# Altium PCB uStepper.PcbDoc (part 2 of 2)
Units mm, origin at the board's own origin, x right, y up, seen from the top; angles counter-clockwise.
Board outline 41.8 x 41.8 mm, 4 copper layers (Top Layer, GND, VCC, Bottom Layer), stack 1.6 mm thick; 108 components, 75 nets, 382 pads, 392 vias.
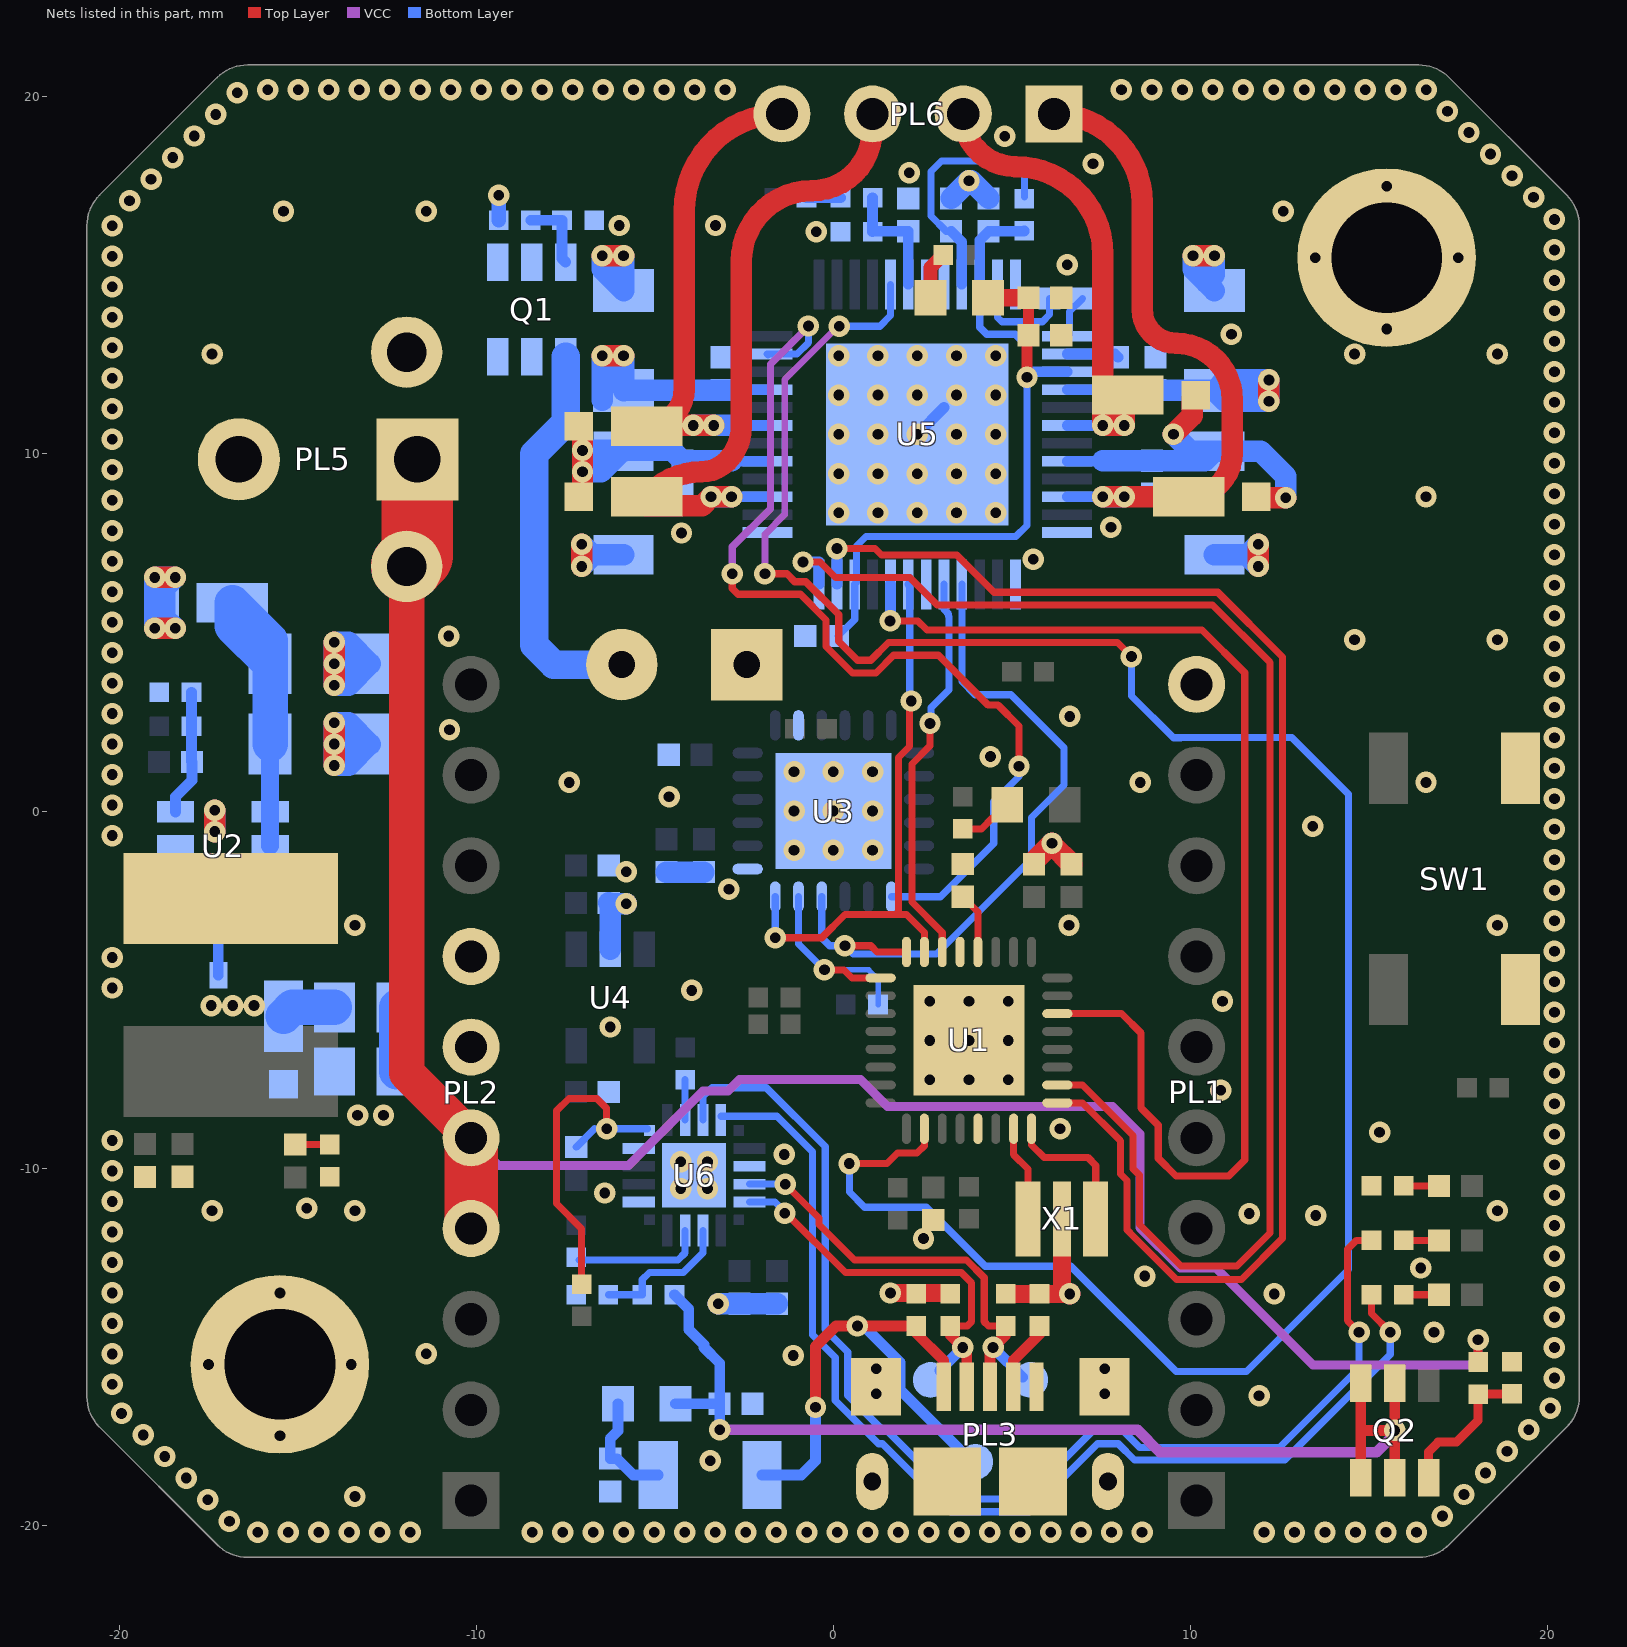
[diagram p4: the nets of this part, all layers, seen from the top]

## Via types
v1: diameter 0.6, hole 0.3, Top Layer to Bottom Layer, tented both sides, 392 vias

## Nets (pads, with @x,y where several pads share a name; then routed paths per layer and width w, separated by ;. In a path a pad name is that pad's centre, name@x,y a point inside that pad or via, vN(x,y) a via of type N, cw(c..) or ccw(c..) an arc to the next point about the centre after c; other vN are vias at no path point) (continued)
ENA: U1.2 U5.29 | length 64.8
  Top Layer w0.2: v1(-1.915,6.645) -1.301,6.645 -1.079,6.423 -0.773,6.423 0.15,5.5 0.15,4.752 0.681,4.221 1.048,4.221 1.543,4.716 7.959,4.716 v1(8.35,4.325) ; v1(0.45,-9.875) 1.502,-9.875 1.799,-9.577 2.348,-9.577 2.55,-9.375 U1.2@2.55,-8.9
  VCC w0.19: v1(-1.915,6.645) -1.915,7.749 -1.363,8.301 -1.363,12.079 0.138,13.579 v1(0.167,13.579)
  Bottom Layer w0.2: v1(0.167,13.579) 1.305,13.579 1.6,13.874 U5.29@1.6,14.75 ; v1(0.45,-9.875) 0.45,-10.675 0.875,-11.1 2.605,-11.1 4.256,-12.751 6.651,-12.751 9.602,-15.702 11.571,-15.702 14.427,-12.846 14.427,0.471 12.84,2.058 9.739,2.058 9.731,2.05 9.525,2.05 8.35,3.225 v1(8.35,4.325)
ENCN: U3.7 U5.23 | length 27.6
  Top Layer w0.2: v1(-2.83,6.645) -2.83,6.231 -2.669,6.07 -0.919,6.07 -0.202,5.354 -0.202,4.607 0.535,3.869 1.194,3.869 1.688,4.363 2.942,4.363 4.34,2.965 4.617,2.965 5.2,2.381 v1(5.2,1.25)
  VCC w0.2: v1(-2.83,6.645) -2.83,7.4 -1.763,8.467 -1.763,12.512 -0.698,13.577 v1(-0.698,13.585)
  Bottom Layer w0.2: U5.23@-1.825,12.775 U5.23@-1.85,12.8 -1.016,12.8 -0.698,13.118 v1(-0.698,13.585) ; U3.7@1.625,-2.4 3,-2.4 4.493,-0.907 4.493,0.26 5.2,0.967 v1(5.2,1.25)
GND: C1.1 C2.2 C3.1 C4.2 C5.2 C6.2 C8.1 C9.1 C10.2 C11.2 C12.2 C13.2 C15.2 C16.1 C17.2 C18.1 C19.1 C20.1 C21.1 C23.2 C25.2 C26.2 C27.2 C28.2 C29.2 C30.1 C31.1 C32.2 C33.2 C34.1 C35.1 D6.1 D12.1 D13.1 D14.1 D15.1 pad.1 pad.3 PL1.10 PL2.6 PL2.7 PL3.5 PL3.6 PL3.7 PL3.8 PL3.9 PL3.10 PL3.11 PL5.2 PL5.3 R8.1 R9.1 R12.1 R13.1 R14.1 R16.1 R20.1 R21.2 R25.1 R32.2 SW1.3 SW1.4 U1.5 U1.21 U1.33 U2.2 U3.13 U3.20 U3.25 U4.2 U5.1 U5.6 U5.13 U5.31 U5.32 U5.36 U5.48 U5.49 U6.3 U6.12 U6.15 U6.21 X1.2 | length 42.3
  Top Layer w0.2: U1.33@3.55,-6.175 v1(3.8,-6.425) U1.33@4.05,-6.675
  Top Layer w0.5: v1(1.6,-13.5) 3.25,-13.5 D13.1@3.275,-13.525 ; D12.1@4.825,-13.525 v1(6.625,-13.525) 6.4,-13.3 X1.2@6.4,-11.425
  Top Layer w0.6: v1(-17.325,-0.575) v1(-17.325,0.025) ; v1(-13.975,1.275) v1(-13.975,1.875) v1(-13.975,2.475) ; v1(-13.975,3.525) v1(-13.975,4.125) v1(-13.975,4.725) ; v1(-7.05,6.85) v1(-7.05,7.475) ; v1(-6.475,15.55) v1(-5.875,15.55) ; C4.2@5.625,-1.49 5.625,-1.4 v1(6.125,-0.9) 6.125,-0.94 C3.1@6.675,-1.49 ; v1(10.075,15.55) v1(10.675,15.55) ; v1(11.9,6.85) v1(11.9,7.475)
  Bottom Layer w0.2: v1(-1.1,1.1) U3.25@-0.975,1.225
  Bottom Layer w0.3: v1(2.35,10.55) U5.49@3.1,11.3
  Bottom Layer w0.6: v1(-17.325,-0.575) v1(-17.325,0.025) ; C10.2@-6.29,-2.575 -6.265,-2.6 v1(-5.8,-2.6) ; U4.2@-6.25,-3.875 C10.2@-6.25,-2.615 ; R14.1@-5.875,7.175 -6.725,7.175 ; C1.1@-4.675,-1.71 C23.2@-3.625,-1.71 ; v1(-3.225,-13.8) C29.2@-2.623,-13.8 C35.1@-1.573,-13.8 ; v1(1.2,-16.325) v1(1.2,-15.625) ; C34.1@3.3,17.16 3.79,17.65 v1(3.8,17.65) 3.86,17.65 C30.1@4.35,17.16 ; v1(7.6,-16.325) v1(7.6,-15.625) ; R13.1@10.675,7.175 11.575,7.175 ; C28.2@10.675,14.575 C28.2@10.45,14.8 ; v1(-13.975,1.875) C19.1@-12.975,1.875 ; v1(-13.975,1.875) v1(-13.975,2.475) -13.575,2.475 C19.1@-12.975,1.875 ; v1(-13.975,1.875) v1(-13.975,1.275) -13.575,1.275 C19.1@-12.975,1.875 ; v1(-13.975,4.125) C18.1@-12.975,4.125 ; v1(-13.975,4.125) v1(-13.975,4.725) -13.575,4.725 C18.1@-12.975,4.125 ; v1(-13.975,4.125) v1(-13.975,3.525) -13.575,3.525 C18.1@-12.975,4.125 ; -6.725,7.175 v1(-7.05,6.85) v1(-7.05,7.475) -6.75,7.175 -6.725,7.175 ; C28.2@10.45,14.8 10.675,15.025 v1(10.675,15.55) v1(10.075,15.55) 10.075,15.175 C28.2@10.45,14.8 ; 11.575,7.175 v1(11.9,6.85) v1(11.9,7.475) 11.6,7.175 11.575,7.175 ; C27.2@-6.475,15.175 v1(-6.475,15.55) v1(-5.875,15.55) C27.2@-5.875,14.575 C27.2@-6.475,15.175
  other v1: -16.118,-20.198 -15.264,-20.198 -14.41,-20.198 -13.556,-20.198 -12.702,-20.198 -11.848,-20.198 -8.432,-20.198 -7.578,-20.198 -6.724,-20.198 -5.87,-20.198 -5.016,-20.198 -4.162,-20.198 -3.308,-20.198 -2.454,-20.198 -1.6,-20.198 -0.746,-20.198 0.108,-20.198 0.962,-20.198 1.816,-20.198 2.67,-20.198 3.524,-20.198 4.378,-20.198 5.232,-20.198 6.086,-20.198 6.94,-20.198 7.794,-20.198 8.648,-20.198 12.064,-20.198 12.918,-20.198 13.772,-20.198 14.626,-20.198 15.48,-20.198 16.334,-20.198 -16.915,-19.892 17.06,-19.747 -17.519,-19.288 -13.4,-19.2 17.663,-19.143 -18.123,-18.684 18.267,-18.54 -3.45,-18.2 -18.727,-18.08 18.871,-17.936 -15.5,-17.5 -19.331,-17.476 19.475,-17.332 -19.935,-16.872 20.079,-16.728 11.925,-16.375 -20.198,-16.06 20.198,-15.882 -17.5,-15.5 -13.5,-15.5 -1.125,-15.25 -20.198,-15.206 -11.4,-15.2 20.198,-15.028 16.825,-14.6 -20.198,-14.352 20.198,-14.174 12.35,-13.525 -20.198,-13.498 -15.5,-13.5 20.198,-13.32 8.725,-13.025 16.45,-12.8 -20.198,-12.644 20.198,-12.466 2.525,-11.975 -20.198,-11.79 20.198,-11.612 13.513,-11.328 11.65,-11.275 -17.4,-11.2 -13.4,-11.2 18.6,-11.2 -14.75,-11.125 -20.198,-10.936 20.198,-10.758 -6.4,-10.7 -4.275,-10.575 -3.525,-10.575 -20.198,-10.082 20.198,-9.904 -4.275,-9.825 -3.525,-9.825 -1.375,-9.618 -20.198,-9.228 20.198,-9.05 15.3,-9 6.35,-8.9 -13.325,-8.525 -12.6,-8.525 20.198,-8.196 10.85,-7.825 2.7,-7.525 3.8,-7.525 4.9,-7.525 20.198,-7.342 20.198,-6.488 2.7,-6.425 4.9,-6.425 -6.25,-6.05 20.198,-5.634 2.7,-5.325 3.8,-5.325 4.9,-5.325 10.9,-5.325 -3.963,-5.025 -20.198,-4.958 20.198,-4.78 -20.198,-4.104 20.198,-3.926 -13.4,-3.2 6.6,-3.2 18.6,-3.2 20.198,-3.072 20.198,-2.218 -2.925,-2.194 -5.8,-1.7 20.198,-1.364 -1.1,-1.1 0,-1.1 1.1,-1.1 -20.198,-0.688 20.198,-0.51 13.425,-0.425 -1.1,0 0,0 1.1,0 -20.198,0.166 20.198,0.344 -4.6,0.4 -7.4,0.8 8.6,0.8 16.6,0.8 -20.198,1.02 0,1.1 1.1,1.1 20.198,1.198 4.4,1.525 -20.198,1.874 20.198,2.052 -10.75,2.275 6.625,2.65 -20.198,2.728 20.198,2.906 -20.198,3.582 20.198,3.76 -20.198,4.436 20.198,4.614 14.6,4.8 18.6,4.8 -10.775,4.9 -20.198,5.29 20.198,5.468 -20.198,6.144 20.198,6.322 -20.198,6.998 5.603,7.051 20.198,7.176 -4.252,7.788 -20.198,7.852 7.775,7.95 20.198,8.03 0.15,8.35 1.25,8.35 2.35,8.35 3.45,8.35 4.55,8.35 -20.198,8.706 16.6,8.8 20.198,8.884 0.15,9.45 1.25,9.45 2.35,9.45 3.45,9.45 4.55,9.45 -20.198,9.56 20.198,9.738 -20.198,10.414 0.15,10.55 1.25,10.55 3.45,10.55 4.55,10.55 20.198,10.592 -20.198,11.268 20.198,11.446 0.15,11.65 1.25,11.65 2.35,11.65 3.45,11.65 4.55,11.65 -20.198,12.122 20.198,12.3 0.15,12.75 1.25,12.75 2.35,12.75 3.45,12.75 4.55,12.75 -17.4,12.8 14.6,12.8 18.6,12.8 -20.198,12.976 20.198,13.154 11.15,13.35 15.5,13.5 -20.198,13.83 20.198,14.008 -20.198,14.684 20.198,14.862 6.55,15.3 13.5,15.5 17.5,15.5 -20.198,15.538 20.198,15.716 -0.475,16.225 -20.198,16.392 -6,16.4 -3.3,16.4 20.198,16.57 -15.4,16.8 -11.4,16.8 12.6,16.8 -19.712,17.095 19.614,17.193 15.5,17.5 -19.108,17.699 19.01,17.797 2.125,17.875 7.275,18.125 -18.504,18.302 18.406,18.401 4.8,18.9 -17.9,18.906 17.802,19.005 -17.297,19.51 17.2,19.6 -16.693,20.114 -15.843,20.198 -14.989,20.198 -14.135,20.198 -13.281,20.198 -12.427,20.198 -11.573,20.198 -10.719,20.198 -9.865,20.198 -9.011,20.198 -8.157,20.198 -7.303,20.198 -6.449,20.198 -5.595,20.198 -4.741,20.198 -3.887,20.198 -3.033,20.198 8.069,20.198 8.923,20.198 9.777,20.198 10.631,20.198 11.485,20.198 12.339,20.198 13.193,20.198 14.047,20.198 14.901,20.198 15.755,20.198 16.609,20.198
MISO: U1.23 U3.12 U5.7 | length 15.8
  Top Layer w0.2: v1(-1.625,-3.55) -0.325,-3.55 0.325,-2.9 1.825,-2.9 ; v1(2.182,3.081) 2.13,3.029 2.13,1.805 1.825,1.5 1.825,-2.9 ; U1.23@2.55,-3.95 2.55,-3.4 2.05,-2.9 1.825,-2.9
  Bottom Layer w0.2: v1(-1.625,-3.55) U3.12@-1.625,-2.4 ; U5.7@2.1,6.35 U5.7@2.135,6.315 ; v1@2.11,3.129 2.142,3.161 2.142,6.283 U5.7@2.11,6.315 ; v1@2.135,3.129 v1(2.182,3.081)
MOSI: U1.22 U5.5 | length 11.1
  Top Layer w0.2: v1(2.707,2.454) 2.707,1.825 2.2,1.318 2.2,-2.552 3.05,-3.402 U1.22@3.05,-3.95
  Bottom Layer w0.2: v1(2.707,2.454) 2.735,2.481 2.735,2.894 3.237,3.397 3.237,5.44 3.231,5.447 3.231,5.512 3.1,5.643 U5.5@3.1,6.35
MOSI_ENC: R30.1 U1.25 U3.11 | length 6.3
  Top Layer w0.2: v1(-0.25,-4.45) 0.3,-4.45 0.525,-4.675 U1.25@1.325,-4.675
  Bottom Layer w0.153: v1(-0.25,-4.45) 0.992,-4.45 1.252,-4.711 R30.1@1.252,-5.42
  Bottom Layer w0.2: U3.11@-0.975,-2.4 -0.975,-3.725 v1(-0.25,-4.45)
NetC5_1: C5.1 U1.20 | length 1.7
  Top Layer w0.2: C5.1@3.625,-2.4 4.05,-2.825 U1.20@4.05,-3.95
NetC7_1: C7.1 D5.2 U2.1 | length 3.7
  Bottom Layer w0.3: U2.1@-18.425,-1.925 -18.425,-2.95 -18.15,-3.225 C7.1@-17.21,-3.225 -17.225,-3.24 D5.2@-17.225,-4.6
NetC7_2: C7.2 C36.1 D6.2 L3.1 U2.6 | length 1.5
  Bottom Layer w1: D6.2@-15.4,-5.75 -15.15,-5.5 C36.1@-13.975,-5.5
  other v1: -17.425,-5.45 -16.825,-5.45 -16.225,-5.45
NetC14_1: C14.1 U5.38 | length 1.5
  Bottom Layer w0.3: U5.38@6.55,12.8 7.885,12.8 C14.1@7.975,12.71
NetC15_1: C15.1 C16.2 C17.1 C30.2 L2.2 R24.1 U5.10 U5.34 U5.39 | length 22.7
  Top Layer w0.3: v1(5.425,12.15) 5.425,13.285 cw(c5.465,13.285) C17.1@5.465,13.325 C16.2@5.465,14.375 C16.2@5.455,14.385
  Top Layer w0.5: L2.2@4.33,14.375 C16.2@5.465,14.375
  Bottom Layer w0.2: C15.1@0.135,4.9 0.6,5.365 U5.10@0.6,6.35 0.652,6.402 0.652,7.426 0.913,7.686 5.111,7.686 5.425,8 v1(5.425,12.15) 5.425,13.025 5.098,13.352 4.298,13.352 4.1,13.55 U5.34@4.1,14.75
  Bottom Layer w0.3: U5.34@4.1,14.75 4.1,15.99 C30.2@4.35,16.24 5.34,16.24 R24.1@5.35,16.25 ; v1(5.425,12.15) 5.575,12.3 U5.39@6.55,12.3
NetC18_2: C18.2 C19.2 D16.2 U2.4 U2.5 | length 9.4
  Bottom Layer w0.5: U2.5@-15.775,-0.975 C19.2@-15.775,1.875
  Bottom Layer w1: C19.2@-15.775,1.875 C18.2@-15.775,4.125 ; C18.2@-15.775,4.125 -15.775,4.777 D16.2@-16.83,5.832 -16.83,5.18 C18.2@-15.775,4.125
NetC22_1: C22.1 U5.35 | length 3
  Bottom Layer w0.2: U5.35@4.6,14.75 4.6,13.825 4.72,13.705 5.855,13.705 6.055,13.905 C22.1@6.055,14.35
NetC22_2: C22.2 U5.37 | length 1.2
  Bottom Layer w0.2: U5.37@6.55,13.3 6.617,13.367 6.617,13.992 C22.2@6.975,14.35
NetC24_2: C24.2 R27.1 U6.16 | length 9.3
  Top Layer w0.2: R27.1@-7.05,-13.25 -7.05,-11.7 -7.753,-10.997 -7.753,-8.396 -7.407,-8.05 -6.625,-8.05 -6.35,-8.325 v1(-6.35,-8.9)
  Bottom Layer w0.2: C24.2@-7.2,-9.415 -6.685,-8.9 ; v1(-6.35,-8.9) U6.16@-5.2,-8.9
NetC25_1: C25.1 D7.1 D8.1 R14.2 U5.17 | length 9.4
  Top Layer w0.6: D7.1@-7.125,8.8 -7.025,8.9 v1(-7.025,9.5) v1(-7.025,10.1) -7.025,10.675 D8.1@-7.125,10.775
  Bottom Layer w0.3: -2.85,9.81 -2.84,9.8 U5.17@-1.85,9.8
  Bottom Layer w0.6: R14.2@-5.875,10.075 R14.2@-5.9,10.1 ; -2.85,9.81 C25.1@-4.225,9.81 -4.515,10.1 R14.2@-5.9,10.1 ; R14.2@-5.9,10.1 v1(-7.025,10.1) v1(-7.025,9.5) -6.5,9.5 R14.2@-5.9,10.1
NetC26_1: C26.1 D3.1 D4.1 R13.2 U5.44 | length 10.7
  Top Layer w0.6: v1(9.525,10.55) 10.05,11.075 10.05,11.55 D4.1@10.15,11.65 ; D3.1@11.85,8.8 11.875,8.775 v1(12.675,8.775)
  Bottom Layer w0.3: U5.44@6.55,9.8 7.54,9.8 7.55,9.81
  Bottom Layer w0.6: 7.55,9.81 C26.1@8.925,9.81 10.41,9.81 R13.2@10.675,10.075 ; v1(9.525,10.55) 10,10.075 R13.2@10.675,10.075 ; v1(12.675,8.775) 12.675,9.375 11.975,10.075 R13.2@10.675,10.075
NetC32_1: C32.1 F1.1 L4.2 | length 3.2
  Bottom Layer w0.3: L4.2@-6.03,-16.6 -6.03,-17.355 -6.25,-17.575 C32.1@-6.25,-18.14 -6.06,-18.14 -5.6,-18.6 F1.1@-4.9,-18.6
NetC33_1: C33.1 R21.1 R22.1 U5.30 | length 3.4
  Bottom Layer w0.3: R22.1@1.1,17.175 R21.1@1.1,16.225 1.115,16.24 C33.1@2.1,16.24 U5.30@2.1,14.75
NetC34_2: C34.2 R24.2 U5.33 | length 7.2
  Bottom Layer w0.2: C34.2@3.3,16.24 3.16,16.24 2.738,16.663 2.738,17.913 3.027,18.202 5.048,18.202 5.35,17.9 R24.2@5.35,17.2
  Bottom Layer w0.3: C34.2@3.3,16.24 3.6,15.94 U5.33@3.6,14.75
NetC36_2: C36.2 R25.2 | length 1.8
  Bottom Layer w1: R25.2@-12.225,-7.3 C36.2@-12.225,-5.5
NetC37_2: C37.2 R11.1 R12.2 U2.3 | length 3.5
  Bottom Layer w0.3: U2.3@-18.425,-0.025 -18.425,0.4 -17.965,0.86 C37.2@-17.965,1.375 -17.975,1.385 R11.1@-17.975,2.375 R12.2@-17.975,3.325
NetD1_2: D1.2 R8.2 | length 1
  Top Layer w0.2: R8.2@15.975,-10.5 D1.2@16.965,-10.5
NetD2_2: D2.2 R9.2 | length 1
  Top Layer w0.2: D2.2@-15.073,-9.341 -14.109,-9.341 R9.2@-14.107,-9.34
NetD3_2: D3.2 PL6.1 U5.46 | length 18.3
  Top Layer w0.6: PL6.1@6.165,19.525 cw(c6.165,17.04) 8.65,17.04 8.65,14.05 ccw(c9.6,14.05) 9.6,13.1 cw(c9.6,11.525) 11.175,11.525 11.175,10.025 cw(c9.95,10.025) D3.2@9.95,8.8 v1(8.15,8.8) v1(7.55,8.8)
  Bottom Layer w0.3: U5.46@6.55,8.8 v1(7.55,8.8)
  Bottom Layer w0.6: v1(7.55,8.8) v1(8.15,8.8)
NetD4_2: D4.2 PL6.2 U5.42 | length 14.1
  Top Layer w0.6: PL6.2@3.625,19.525 ccw(c5.1,19.525) 5.1,18.05 cw(c5.1,15.6) 7.55,15.6 v1(7.55,10.8) v1(8.15,10.8) 8.15,11.55 D4.2@8.25,11.65
  Bottom Layer w0.3: U5.42@6.55,10.8 v1(7.55,10.8)
  Bottom Layer w0.6: v1(7.55,10.8) v1(8.15,10.8)
NetD7_2: D7.2 PL6.3 U5.15 | length 18.8
  Top Layer w0.6: v1(-2.85,8.8) v1(-3.425,8.8) -3.675,8.55 -5.225,8.55 D7.2@-5.225,8.8 -5.108,8.917 cw(c-3.7,7.508) -3.7,9.5 ccw(c-3.7,10.526) -2.974,9.801 ccw(c-3.939,10.765) -2.575,10.765 -2.575,15.4 cw(c-0.6,15.4) -0.6,17.375 ccw(c-0.6,19.06) 1.085,19.06 1.085,19.525 ccw(c1.109,19.501) PL6.3@1.075,19.501
  Bottom Layer w0.3: v1(-2.85,8.8) -2.84,8.8 U5.15@-1.85,8.8
  Bottom Layer w0.6: v1(-3.425,8.8) v1(-2.85,8.8)
NetD8_2: D8.2 PL6.4 U5.19 | length 14.9
  Top Layer w0.6: v1(-3.35,10.8) v1(-3.925,10.8) D8.2@-4.997,10.8 ; PL6.4@-1.475,19.477 cw(c-1.407,19.477) -1.455,19.525 ccw(c-1.455,16.805) -4.175,16.805 -4.175,11.825 cw(c-5.225,11.825) D8.2@-4.997,10.8 ; D8.2@-4.997,10.8 cw(c-5.225,11.825) D8.2@-5.225,10.775 cw(c-5.2,10.775) -5.2,10.8 D8.2@-4.997,10.8
  Bottom Layer w0.3: -2.85,10.8 U5.19@-1.85,10.8
  Bottom Layer w0.6: v1(-3.925,10.8) v1(-3.35,10.8) -2.85,10.8
NetD10_2: D10.2 R18.1 | length 1
  Top Layer w0.2: R18.1@15.975,-13.55 D10.2@16.965,-13.55
NetD11_2: D11.2 R19.1 | length 1
  Top Layer w0.2: R19.1@15.975,-12.025 D11.2@16.965,-12.025
NetD14_2: D14.2 F1.2 PL3.1 TP1.1 | length 15
  Top Layer w0.3: v1(-0.5,-16.7) -0.5,-15 0.075,-14.425 D14.2@2.325,-14.425 2.325,-14.625 3.09,-15.39 PL3.1@3.09,-16.125
  Bottom Layer w0.3: F1.2@-2,-18.6 -0.9,-18.6 -0.5,-18.2 v1(-0.5,-16.7) ; v1@0.852,-14.425 1.875,-15.448 1.875,-16.219 TP1.1@3.906,-18.25
  other v1: 0.675,-14.425
NetD15_2: D15.2 PL3.4 | length 2
  Top Layer w0.3: PL3.4@5.04,-16.125 5.04,-15.392 5.775,-14.657 D15.2@5.775,-14.425
NetL1_1: L1.1 R6.2 | length 1.4
  Top Layer w0.2: R6.2@3.625,-0.5 4.15,-0.5 4.45,-0.2 L1.1@4.87,-0.2
NetL2_1: L2.1 R10.1 | length 1.3
  Top Layer w0.4: L2.1@2.72,14.375 2.72,15.22 R10.1@3.075,15.575
NetQ1_3: Q1.3 R1.1 R20.2 | length 2.1
  Bottom Layer w0.3: R1.1@-8.475,16.55 R20.2@-7.6,16.55 -7.6,15.475 Q1.3@-7.5,15.375
NetQ2_3: Q2.3 R31.2 R32.1 | length 4.2
  Top Layer w0.25: Q2.3@16.673,-18.673 16.673,-17.948 16.942,-17.678 17.45,-17.678 18.059,-17.069 R31.2@18.059,-16.332 18.067,-16.325 R32.1@19.01,-16.325
NetR15_1: R15.1 R16.2 U6.8 | length 4
  Bottom Layer w0.2: R16.2@-6.3,-13.55 R15.1@-5.35,-13.55 -5.35,-13.125 -5.152,-12.927 -4.204,-12.927 -3.65,-12.373 U6.8@-3.65,-11.75
NetR17_1: R17.1 U6.9 | length 3.7
  Bottom Layer w0.2: R17.1@-7.125,-12.575 -4.35,-12.575 -4.15,-12.375 U6.9@-4.15,-11.75
NetR18_2: R18.2 U6.20 | length 31.1
  Top Layer w0.2: R18.2@15.075,-13.55 15.075,-14.075 v1(15.6,-14.6)
  Bottom Layer w0.2: U6.20@-3.15,-8.548 -1.577,-8.548 -0.58,-9.545 -0.58,-14.67 0.052,-15.302 0.052,-16.509 1.266,-17.723 1.381,-17.723 3.283,-19.625 5.497,-19.625 7.399,-17.723 7.981,-17.723 8.437,-18.179 12.646,-18.179 15.6,-15.225 v1(15.6,-14.6)
NetR19_2: R19.2 U6.19 | length 33.7
  Top Layer w0.2: v1(14.725,-14.6) 14.4,-14.275 14.4,-12.275 14.65,-12.025 R19.2@15.075,-12.025
  Bottom Layer w0.2: U6.19@-3.65,-8.65 -3.65,-8 -3.4,-7.75 -1.877,-7.75 -0.227,-9.399 -0.227,-14.524 0.405,-15.156 0.405,-16.363 1.412,-17.37 1.527,-17.37 3.429,-19.273 5.351,-19.273 7.253,-17.37 8.127,-17.37 8.583,-17.826 12.5,-17.826 14.725,-15.602 v1(14.725,-14.6)
NetR22_2: R22.2 R23.2 | length 0.9
  Bottom Layer w0.3: R23.2@-0.75,17.175 R22.2@0.2,17.175
NetR26_1: R26.1 U6.18 | length 1.1
  Bottom Layer w0.2: U6.18@-4.15,-8.65 R26.1@-4.15,-7.525
NetU1_7: U1.7 X1.1 | length 2.7
  Top Layer w0.2: U1.7@5.05,-8.9 5.05,-9.625 5.45,-10.025 X1.1@5.45,-11.425
NetU1_8: U1.8 X1.3 | length 4
  Top Layer w0.2: U1.8@5.55,-8.9 5.55,-9.353 5.897,-9.7 7.125,-9.7 7.35,-9.925 X1.3@7.35,-11.425
PB2: U1.14 U5.8 | length 34.5
  Top Layer w0.2: v1@1.582,5.306 v1@1.582,5.324 ; v1(1.59,5.324) 2.364,5.324 2.62,5.068 10.329,5.068 11.525,3.872 11.525,-9.775 11.075,-10.225 9.6,-10.225 9.1,-9.725 9.1,-8.8 8.623,-8.323 8.623,-6.223 8.075,-5.675 U1.14@6.275,-5.675
  Bottom Layer w0.3: v1@1.582,5.305 1.558,5.281 v1@1.6,5.239 ; U5.8@1.6,6.35 v1@1.6,5.239 ; v1@1.6,5.239 1.607,5.232 1.6,5.225 v1@1.6,5.239
PD5: U1.9 U5.11 | length 41.2
  Top Layer w0.2: v1(0.1,7.35) 1.165,7.35 1.347,7.169 3.458,7.169 4.501,6.125 10.767,6.125 12.582,4.31 12.582,-11.966 11.43,-13.119 9.613,-13.119 8.425,-11.931 8.223,-11.728 8.223,-10.346 8.043,-10.166 8.043,-9.238 6.98,-8.175 U1.9@6.275,-8.175
  Bottom Layer w0.3: U5.11@0.1,6.35 v1(0.1,7.35)
PD6: U1.10 U5.12 | length 41.1
  Top Layer w0.2: v1(-0.85,6.975) -0.371,6.975 0.061,6.543 2.14,6.543 2.91,5.773 10.621,5.773 12.23,4.164 12.23,-11.82 11.304,-12.746 9.739,-12.746 8.575,-11.582 8.575,-10.2 8.395,-10.02 8.395,-9.092 6.978,-7.675 U1.10@6.275,-7.675
  Bottom Layer w0.3: v1(-0.85,6.975) -0.4,6.975 U5.12@-0.4,6.35
SCK: U1.24 U3.10 U5.4 | length 20
  Top Layer w0.2: v1(0.325,-3.775) 1.05,-3.775 1.225,-3.95 U1.24@2.05,-3.95
  Bottom Layer w0.2: U3.10@-0.325,-2.4 -0.325,-3.55 -0.1,-3.775 v1(0.325,-3.775) 0.555,-4.005 2.89,-4.005 5.55,-1.345 5.55,-0.178 6.457,0.729 6.457,1.771 4.973,3.255 3.97,3.255 3.6,3.625 U5.4@3.6,6.35
USB_N: D13.2 PL3.2 TP2.1 U6.5 | length 11.8
  Top Layer w0.2: v1(-1.357,-11.262) -1.357,-11.243 -1.351,-11.237 0.337,-12.925 3.582,-12.925 3.875,-13.218 3.875,-14.3 3.75,-14.425 D13.2@3.275,-14.425
  Top Layer w0.3: D13.2@3.275,-14.425 3.275,-14.675 v1(3.625,-15.025) 3.74,-15.14 PL3.2@3.74,-16.125
  Bottom Layer w0.2: U6.5@-2.35,-10.95 -1.638,-10.95 -1.357,-11.231 v1(-1.357,-11.262)
  Bottom Layer w0.3: TP2.1@2.982,-15.668 v1(3.625,-15.025)
USB_P: D12.2 PL3.3 TP3.1 U6.4 | length 12.7
  Top Layer w0.2: v1(-1.35,-10.45) -0.4,-11.4 -0.4,-11.581 0.591,-12.572 3.728,-12.572 4.228,-13.072 4.228,-14.303 4.35,-14.425 D12.2@4.825,-14.425
  Top Layer w0.3: PL3.3@4.39,-16.125 4.39,-15.11 v1(4.475,-15.025) 4.825,-14.675 D12.2@4.825,-14.425
  Bottom Layer w0.2: U6.4@-2.35,-10.45 v1(-1.35,-10.45)
  Bottom Layer w0.3: v1(4.475,-15.025) TP3.1@5.309,-15.859
VIN: PL2.4 PL2.5 PL4.1 PL5.1 Q1.1 Q1.2 Q1.5 Q1.6 R31.1 | length 58
  Top Layer w0.25: R31.1@18.059,-15.432 v1(18.059,-14.808)
  Top Layer w1: PL5.1@-11.95,6.85 -11.95,-7.349 PL2.5@-10.145,-9.154
  Top Layer w1.5: PL2.4@-10.145,-11.694 PL2.5@-10.145,-9.154
  Top Layer w2: PL5.1@-11.95,6.85 -11.65,7.15 PL4.1@-11.65,9.85
  VCC w0.25: PL2.5@-10.145,-9.154 -9.368,-9.931 -5.741,-9.931 -3.648,-7.839 -2.947,-7.839 -2.627,-7.518 0.759,-7.518 1.521,-8.28 7.823,-8.28 8.585,-9.042 8.585,-11.667 9.717,-12.799 10.716,-12.799 13.437,-15.519 17.828,-15.519 18.059,-15.288 v1(18.059,-14.808)
VIN_PROTECT: C11.1 C12.1 C13.1 C14.2 C27.1 C28.1 D16.1 Q1.4 R1.2 U5.21 U5.40 | length 33.6
  Top Layer w0.6: v1(-19.01,5.121) v1(-18.429,5.121) ; v1(-19.01,6.543) v1(-18.429,6.543) ; v1(-6.475,12.75) v1(-5.875,12.75) ; v1(12.2,11.475) v1(12.2,12.075)
  Bottom Layer w0.3: C12.1@-3.125,11.79 -3.115,11.8 U5.21@-1.85,11.8 ; U5.40@6.55,11.8 7.54,11.8 7.55,11.79
  Bottom Layer w0.4: R1.2@-9.375,16.55 v1(-9.375,17.25)
  Bottom Layer w0.6: C27.1@-6.475,11.5 v1(-6.475,12.75) v1(-5.875,12.75) C27.1@-5.875,11.775 -5.86,11.79 C12.1@-3.125,11.79 C12.1@-2.85,11.79 ; 7.55,11.79 10.66,11.79 C28.1@10.675,11.775 ; C28.1@10.675,11.775 10.975,11.475 v1(12.2,11.475) v1(12.2,12.075) 10.975,12.075 C28.1@10.675,11.775 ; v1(-19.01,5.121) v1(-19.01,6.543) v1(-18.429,6.543) -18.73,6.242 D16.1@-18.73,5.832 -18.73,5.422 v1(-18.429,5.121) v1(-19.01,5.121)
  Bottom Layer w0.8: Q1.4@-7.5,12.725 -7.5,10.875 -8.375,10 -8.375,4.65 -7.825,4.1 C13.1@-5.925,4.1
VUSB: C31.2 L4.1 Q2.1 Q2.2 Q2.5 Q2.6 R15.2 | length 31.2
  Top Layer w0.3: Q2.1@14.773,-18.673 14.773,-17.348 ; Q2.6@14.773,-16.023 14.773,-17.348 ; Q2.2@15.723,-18.673 v1(15.723,-17.348) ; Q2.5@15.723,-16.023 v1(15.723,-17.348) ; 14.773,-17.348 v1(15.723,-17.348)
  VCC w0.3: v1(-3.183,-17.332) 8.518,-17.332 9.144,-17.958 15.215,-17.958 15.723,-17.45 v1(15.723,-17.348)
  Bottom Layer w0.3: R15.2@-4.45,-13.55 -4.05,-13.95 -4.05,-14.525 -3.625,-14.95 ; L4.1@-4.42,-16.6 C31.2@-3.185,-16.6 ; -3.625,-15.028 -3.185,-15.468 C31.2@-3.185,-16.6 ; v1(-3.183,-17.332) -3.185,-17.33 C31.2@-3.185,-16.6
pads on no net: U3.1 U3.2 U3.3 U3.4 U3.5 U3.6 U3.15 U3.16 U3.17 U3.18 U3.22 U3.23 U3.24 U4.4 U5.14 U5.16 U5.18 U5.20 U5.22 U5.26 U5.27 U5.28 U5.41 U5.43 U5.45 U5.47 U6.1 U6.2 U6.10 U6.11 U6.13 U6.14

## Polygon pours and split planes (outlines as drawn)
GND on Bottom Layer "Btm Layer-GND" (solid, remove dead copper, pour order 30): 16.9,-20.9 20.9,-16.9 20.9,16.9 16.9,20.9 -16.9,20.9 -20.9,16.9 -20.9,-16.9 -16.9,-20.9
VIN on Bottom Layer "VIN_Bottom" (solid, pour order 24): -13.05,5.75 -13.05,11.15 -11.15,11.15 -10.225,12.075 -10.225,15.9 -8.1,15.9 -8.1,11.25 -9.075,10.275 -9.075,5.75
VIN_PROTECT on VCC "VCC-No Net" (solid, pour order 36): -20.906,3.216 -1.357,3.216 1.641,6.213 22.469,6.213 23.383,7.127 23.383,26.279 -26.858,26.279 -26.884,26.304
+5V on VCC "VCC-No Net 1" (solid, pour order 34): -20.525,2.911 -22.362,1.074 -22.362,-21.473 25.085,-21.473 21.021,-17.409 21.021,5.883 1.717,5.883 -1.255,2.911
+5V on VCC "VCC-No Net 2" (solid, pour order 32): -20.906,2.581
GND on Top Layer "Top Layer-GND" (solid, remove dead copper, pour order 28): 16.9,-20.9 20.9,-16.9 20.9,16.9 16.9,20.9 -16.9,20.9 -20.9,16.9 -20.9,-16.9 -16.9,-20.9
+5V on Top Layer "Top Layer-+5V" (solid, pour order 26): -17.917,-9.027 -17.917,-9.637 -17.355,-9.637 -17.355,-10.707 -16.978,-11.084 -14.975,-11.084 -14.975,-9.916 -16.292,-9.916 -16.292,-9.027
GND on GND (split plane): 16.503,20.38 16.61,20.355 16.711,20.313 16.805,20.256 16.879,20.192 16.886,20.183 20.179,16.89 20.188,16.883 20.252,16.808 20.309,16.715 20.351,16.613 20.377,16.507 20.384,16.409 20.383,16.397 20.383,-16.403 20.384,-16.414 20.377,-16.512 20.351,-16.619 20.309,-16.72 20.252,-16.813 20.191,-16.885 20.184,-16.891 16.882,-20.193 16.876,-20.2 16.805,-20.261 16.711,-20.318 16.61,-20.36 16.503,-20.386 16.409,-20.393 16.399,-20.392 -16.412,-20.392 -16.421,-20.393 -16.516,-20.386 -16.622,-20.36 -16.723,-20.318 -16.817,-20.261 -16.888,-20.2 -16.894,-20.193 -20.196,-16.891 -20.203,-16.885 -20.264,-16.813 -20.322,-16.72 -20.364,-16.619 -20.389,-16.512 -20.397,-16.414 -20.396,-16.403 -20.396,16.397 -20.397,16.409 -20.389,16.507 -20.364,16.613 -20.322,16.715 -20.264,16.808 -20.201,16.883 -20.192,16.89 -16.899,20.183 -16.891,20.192 -16.817,20.256 -16.723,20.313 -16.622,20.355 -16.516,20.38 -16.418,20.388 -16.406,20.387 16.394,20.387 16.406,20.388

## Keep-outs
Top Layer:
  region: -13.875,-3.9 -15.76,-3.9 -15.76,-5.8 -13.875,-5.8
  rectangle: -19.725,-5.8 -18,-3.9
  lines w0.02: 8.075,15.05 8.075,16
  lines w0.15: -5.812,-8.9 -5.812,-8.839
  lines w0.153: -15.4,-10.976 -15.352,-10.976 ; -14.525,-8.825 -13.93,-8.82 ; -6.475,8.55 -6.475,8.675 ; -6.475,11.075 -6.475,11.125 ; -3.525,15.325 -3.25,15.325 ; 3.525,13.9 3.525,14 ; 4.175,0.65 4.175,0.725 ; 5.55,15 5.625,15 ; 7.7,9.55 7.7,10.2 ; 11.15,-8.725 11.15,-8.675 ; 11.2,8.325 11.2,8.375
  lines w0.2: 0.975,-8.575 1,-8.575
Bottom Layer:
  lines w0.1: -5.576,-17.374 -5.576,-17.348 ; -3.742,-17.17 -3.742,-17.164 ; 2.199,7.28 2.199,7.329
  lines w0.153: -17,-7.475 -17,-7.2 ; -6.675,10.925 -6.575,10.925 ; 2.7,16.075 2.7,16.1 ; 4.55,15.7 4.6,15.7 ; 4.875,3.65 5,3.65 ; 7.2,13.75 7.225,13.75 ; 11.525,10.925 11.889,10.709
  lines w0.2: -7.775,-0.825 -7.775,-0.801
Keep-Out Layer:
  lines w0.1: -20.9,-0.1 -20.8,0
  lines w0.254: -17.255,-20.554 ccw(c-16.406,-19.696) -16.412,-20.903 ; -17.255,-20.554 -20.557,-17.251 cw(c-19.699,-16.403) -20.906,-16.403 -20.906,16.397 cw(c-19.699,16.397) -20.553,17.251 -17.26,20.544 cw(c-16.406,19.69) -16.406,20.897 16.394,20.897 cw(c16.394,19.69) 17.247,20.544 20.54,17.251 cw(c19.687,16.397) 20.894,16.397 20.894,-16.403 cw(c19.687,-16.403) 20.545,-17.251 17.243,-20.554 cw(c16.394,-19.696) 16.399,-20.903 -16.412,-20.903

## Other copper
Top Layer:
  rectangle net NetC7_2: -17.725,-5.75 -15.925,-2.825
Bottom Layer:
  rectangle net 3V3: -3.3,-12.2 -2.5,-11.3
  rectangle net NetC7_2: -17.725,-6.775 -15.975,-5.15
  rectangle net NetC7_2: -16.6,-6.775 -14.725,-1.625

## Silkscreen, mask and mechanical layers (free items; w line width, h text height)
Top Overlay:
  lines w0.125: -12.95,-6.575 -12.45,-6.575 ; -12.95,-4.05 -12.45,-4.05 ; -12.7,-6.825 -12.45,-6.825 -12.2,-6.825 ; -12.7,-4.3 -12.45,-4.3 -12.2,-4.3 ; -12.5,-7.075 -12.45,-7.075 -12.4,-7.075 ; -12.5,-4.55 -12.45,-4.55 -12.4,-4.55 ; -12.45,-5.975 -12.45,-6.575 ; -12.45,-3.45 -12.45,-4.05 ; -11.95,-6.575 -12.45,-6.575 ; -11.95,-4.05 -12.45,-4.05 ; 11.925,3.55 12.425,3.55 ; 12.175,3.3 12.425,3.3 12.675,3.3 ; 12.375,3.05 12.425,3.05 12.475,3.05 ; 12.425,4.15 12.425,3.55 ; 12.925,3.55 12.425,3.55
  lines w0.153: -16.978,-12.151 -13.999,-12.151 -11.9,-14.25 -11.45,-14.25 ; -14.625,-19.075 -14.3,-19.075 -12.35,-17.125 -11.95,-17.125 -11.4,-17.125 ; -8.4,3.95 -7.2,3.95 ; -7.8,3.35 -7.8,4.55 ; -20.634,-13.131 -20.634,-12.131 -19.634,-11.131 -16.984,-11.131 -16.984,-13.131 -20.634,-13.131 ; -18.175,-19.425 -18.175,-18.375 -14.625,-18.375 -14.625,-20.45 -17.15,-20.45 -18.175,-19.425 ; -0.15,8.05 -0.15,13.05 4.925,13.05 4.925,8.05 -0.15,8.05
  text "SUPPLY: 8V - 42V" at -6.625,20.6 h1.25 r270
  text "GND" at -17.932,15.469 h1.25
  text "VIN" at -12.878,15.468 h1.25
  text "uStepper" at 4.75,5.907 h3
  text "S" at 17.75,5.7 h4
  text "RST" at -13.505,3.214 h1.25
  text "RESET" at 15.811,3.1 h1.25
  text "x" at 0.125,2.925 h6
  text "3V3" at -13.66,0.675 h1.25
  text "D8 / SDA1" at 11.728,0.14 h1.25
  text "e" at -20.175,-1.849 h8
  text "5V" at -13.088,-1.87 h1.25
  text "D7 / SCL1" at 11.731,-2.159 h1.25
  text "D6 / SCK0" at 11.728,-4.704 h1.25
  text "D5 / MISO0/RX1" at 11.737,-7.243 h1.25
  text "VIN" at -13.575,-9.475 h1.25
  text "D4* / MOSI0/TX1" at 11.722,-9.775 h1.25
  text "L" at 18.6,-10.825 h1.25
  text "PWR" at -15.555,-11.275 h1.25 r90
  text "VIN" at -13.575,-12 h1.25
  text "D3* / INT0" at 11.738,-12.321 h1.25
  text "RX" at 18.6,-12.425 h1.25
  text "A0 / SCL0" at -20.459,-12.931 h1.25
  text "TX" at 18.59,-13.875 h1.25
  text "D2* / INT1" at 11.736,-14.856 h1.25
  text "D1* / TX0" at 11.735,-17.642 h1.25
  text "A2" at -13.137,-19.636 h1.25
  text "D0* / RX0" at 11.725,-20.171 h1.25
  text "SDA0 / A1" at -18.025,-20.275 h1.25
Bottom Overlay:
  text "Rev .GlobalProjectRevision" at -4.375,18.75 h2
  text "p" at -14.6,12.425 h6
  text "GND" at -13.5,12.446 h1.25
  text "R" at -11.075,12.375 h8
  text "VIN" at -13.31,10.871 h1.25 r90
  text "By ON Development" at 19.55,8.1 h2 r90
  text "VIN" at -13.462,7.899 h1.25 r90
  text "GND" at -15.418,7.468 h1.25
Top Solder:
  rectangle: 0.15,8.35 4.625,12.75
Board outline:
  the board outline again, w0.254
Mechanical 4:
  circle w0.254: c0,0 r2.5
Mechanical 30:
  circle w0.254: c-15.5,-15.5 r3.002
  circle w0.254: c15.5,15.5 r3.002
  circle w0.013: c-15.494,-15.481 r1.6
  circle w0.013: c15.508,15.519 r1.6
  lines w0.013: -23.094,-14.881 ccw(c-21.094,-14.881) -21.094,-16.881 ; -23.094,-14.881 ccw(c-21.094,-14.881) -21.094,-16.881 ; -23.094,-14.881 -23.094,14.919 ; -23.094,-14.881 -23.094,14.919 ; -23.094,14.919 cw(c-21.094,14.919) -21.094,16.919 ; -23.094,14.919 cw(c-21.094,14.919) -21.094,16.919 ; -21.094,-16.881 -20.894,-16.881 ; -21.094,-16.881 -20.894,-16.881 ; -21.094,16.919 -20.894,16.919 ; -21.094,16.919 -20.894,16.919 ; -20.994,-9.481 ccw(c-18.994,-9.481) -18.994,-11.481 ; -20.994,-9.481 ccw(c-18.994,-9.481) -18.994,-11.481 ; -20.994,-9.481 -20.994,11.919 ; -20.994,-9.481 -20.994,11.919 ; -20.994,11.919 cw(c-18.994,11.919) -18.994,13.919 ; -20.994,11.919 cw(c-18.994,11.919) -18.994,13.919 ; -20.894,-16.881 -16.894,-20.881 ; -20.894,-16.881 -16.894,-20.881 ; -20.894,16.919 -16.894,20.919 ; -20.894,16.919 -16.894,20.919 ; -18.994,-11.481 -15.494,-11.481 ; -18.994,-11.481 -15.494,-11.481 ; -18.994,13.919 -18.607,13.919 ; -18.994,13.919 -18.607,13.919 ; -18.607,13.919 ccw(c-15.494,15.519) -16.895,12.312 ; -18.607,13.919 ccw(c-15.494,15.519) -16.895,12.312 ; -16.895,12.312 cw(c-17.296,11.395) -16.444,11.919 ; -16.895,12.312 cw(c-17.296,11.395) -16.444,11.919 ; -16.894,-21.081 ccw(c-14.894,-21.081) -14.894,-23.081 ; -16.894,-21.081 ccw(c-14.894,-21.081) -14.894,-23.081 ; -16.894,-21.081 -16.894,-20.881 ; -16.894,-21.081 -16.894,-20.881 ; -16.894,20.919 -16.894,21.119 ; -16.894,20.919 -16.894,21.119 ; -16.894,21.119 cw(c-14.894,21.119) -14.894,23.119 ; -16.894,21.119 cw(c-14.894,21.119) -14.894,23.119 ; -16.894,21.119 -16.894,21.119 ; -16.894,21.119 -16.894,21.119 ; -16.444,11.919 -12.894,11.919 ; -16.444,11.919 -12.894,11.919 ; -15.494,-11.481 cw(c-15.494,-15.481) -11.494,-15.481 ; -15.494,-11.481 cw(c-15.494,-15.481) -11.494,-15.481 ; -14.894,-23.081 14.908,-23.081 ; -14.894,-23.081 14.908,-23.081 ; -14.894,23.119 14.908,23.119 ; -14.894,23.119 14.908,23.119 ; -13.894,18.632 cw(c-15.494,15.519) -12.287,16.92 ; -13.894,18.632 cw(c-15.494,15.519) -12.287,16.92 ; -13.894,18.632 -13.894,19.019 ; -13.894,18.632 -13.894,19.019 ; -13.894,19.019 cw(c-11.894,19.019) -11.894,21.019 ; -13.894,19.019 cw(c-11.894,19.019) -11.894,21.019 ; -12.894,11.919 ccw(c-12.894,12.919) -11.894,12.919 ; -12.894,11.919 ccw(c-12.894,12.919) -11.894,12.919 ; -12.287,16.92 ccw(c-11.37,17.321) -11.894,16.469 ; -12.287,16.92 ccw(c-11.37,17.321) -11.894,16.469 ; -11.894,12.919 -11.894,16.469 ; -11.894,12.919 -11.894,16.469 ; -11.894,21.019 9.508,21.019 ; -11.894,21.019 9.508,21.019 ; -11.494,-18.981 ccw(c-9.494,-18.981) -9.494,-20.981 ; -11.494,-18.981 ccw(c-9.494,-18.981) -9.494,-20.981 ; -11.494,-18.981 -11.494,-15.481 ; -11.494,-18.981 -11.494,-15.481 ; -9.494,-20.981 11.908,-20.981 ; -9.494,-20.981 11.908,-20.981 ; 9.508,21.019 cw(c9.508,19.019) 11.508,19.019 ; 9.508,21.019 cw(c9.508,19.019) 11.508,19.019 ; 11.508,15.519 ccw(c15.508,15.519) 15.508,11.519 ; 11.508,15.519 ccw(c15.508,15.519) 15.508,11.519 ; 11.508,15.519 11.508,19.019 ; 11.508,15.519 11.508,19.019 ; 11.908,-20.981 ccw(c11.908,-18.981) 13.908,-18.981 ; 11.908,-20.981 ccw(c11.908,-18.981) 13.908,-18.981 ; 11.908,-16.431 cw(c11.385,-17.283) 12.301,-16.883 ; 11.908,-16.431 cw(c11.385,-17.283) 12.301,-16.883 ; 11.908,-16.431 11.908,-12.881 ; 11.908,-16.431 11.908,-12.881 ; 11.908,-12.881 cw(c12.908,-12.881) 12.908,-11.881 ; 11.908,-12.881 cw(c12.908,-12.881) 12.908,-11.881 ; 12.301,-16.883 ccw(c15.508,-15.481) 13.908,-18.594 ; 12.301,-16.883 ccw(c15.508,-15.481) 13.908,-18.594 ; 12.908,-11.881 16.458,-11.881 ; 12.908,-11.881 16.458,-11.881 ; 13.908,-18.981 13.908,-18.594 ; 13.908,-18.981 13.908,-18.594 ; 14.908,-23.081 ccw(c14.908,-21.081) 16.908,-21.081 ; 14.908,-23.081 ccw(c14.908,-21.081) 16.908,-21.081 ; 14.908,23.119 cw(c14.908,21.119) 16.908,21.119 ; 14.908,23.119 cw(c14.908,21.119) 16.908,21.119 ; 15.508,11.519 19.008,11.519 ; 15.508,11.519 19.008,11.519 ; 16.458,-11.881 ccw(c17.31,-11.358) 16.91,-12.274 ; 16.458,-11.881 ccw(c17.31,-11.358) 16.91,-12.274 ; 16.908,-21.081 16.908,-21.081 ; 16.908,-21.081 16.908,-20.881 ; 16.908,-21.081 16.908,-20.881 ; 16.908,-21.081 16.908,-21.081 ; 16.908,-20.881 20.908,-16.881 ; 16.908,-20.881 20.908,-16.881 ; 16.908,20.919 20.908,16.919 ; 16.908,20.919 16.908,21.119 ; 16.908,20.919 16.908,21.119 ; 16.908,20.919 20.908,16.919 ; 16.91,-12.274 cw(c15.508,-15.481) 18.621,-13.881 ; 16.91,-12.274 cw(c15.508,-15.481) 18.621,-13.881 ; 18.621,-13.881 19.008,-13.881 ; 18.621,-13.881 19.008,-13.881 ; 19.008,-13.881 ccw(c19.008,-11.881) 21.008,-11.881 ; 19.008,-13.881 ccw(c19.008,-11.881) 21.008,-11.881 ; 19.008,11.519 cw(c19.008,9.519) 21.008,9.519 ; 19.008,11.519 cw(c19.008,9.519) 21.008,9.519 ; 20.908,-16.881 21.108,-16.881 ; 20.908,-16.881 21.108,-16.881 ; 20.908,16.919 21.108,16.919 ; 20.908,16.919 21.108,16.919 ; 21.008,-11.881 21.008,9.519 ; 21.008,-11.881 21.008,9.519 ; 21.108,-16.881 ccw(c21.108,-14.881) 23.108,-14.881 ; 21.108,-16.881 ccw(c21.108,-14.881) 23.108,-14.881 ; 21.108,16.919 cw(c21.108,14.919) 23.108,14.919 ; 21.108,16.919 cw(c21.108,14.919) 23.108,14.919 ; 23.108,-14.881 23.108,14.919 ; 23.108,-14.881 23.108,14.919